# Altium PCB amp.PcbDoc (part 11 of 20)
Units mm, origin at the board's own origin, x right, y up, seen from the top; angles counter-clockwise.
Board outline 210 x 210 mm, 2 copper layers (Top Layer, Bottom Layer); 742 components, 1354 nets, 6402 pads, 5154 vias.
Unrouted connection lines stored in the file: 702.
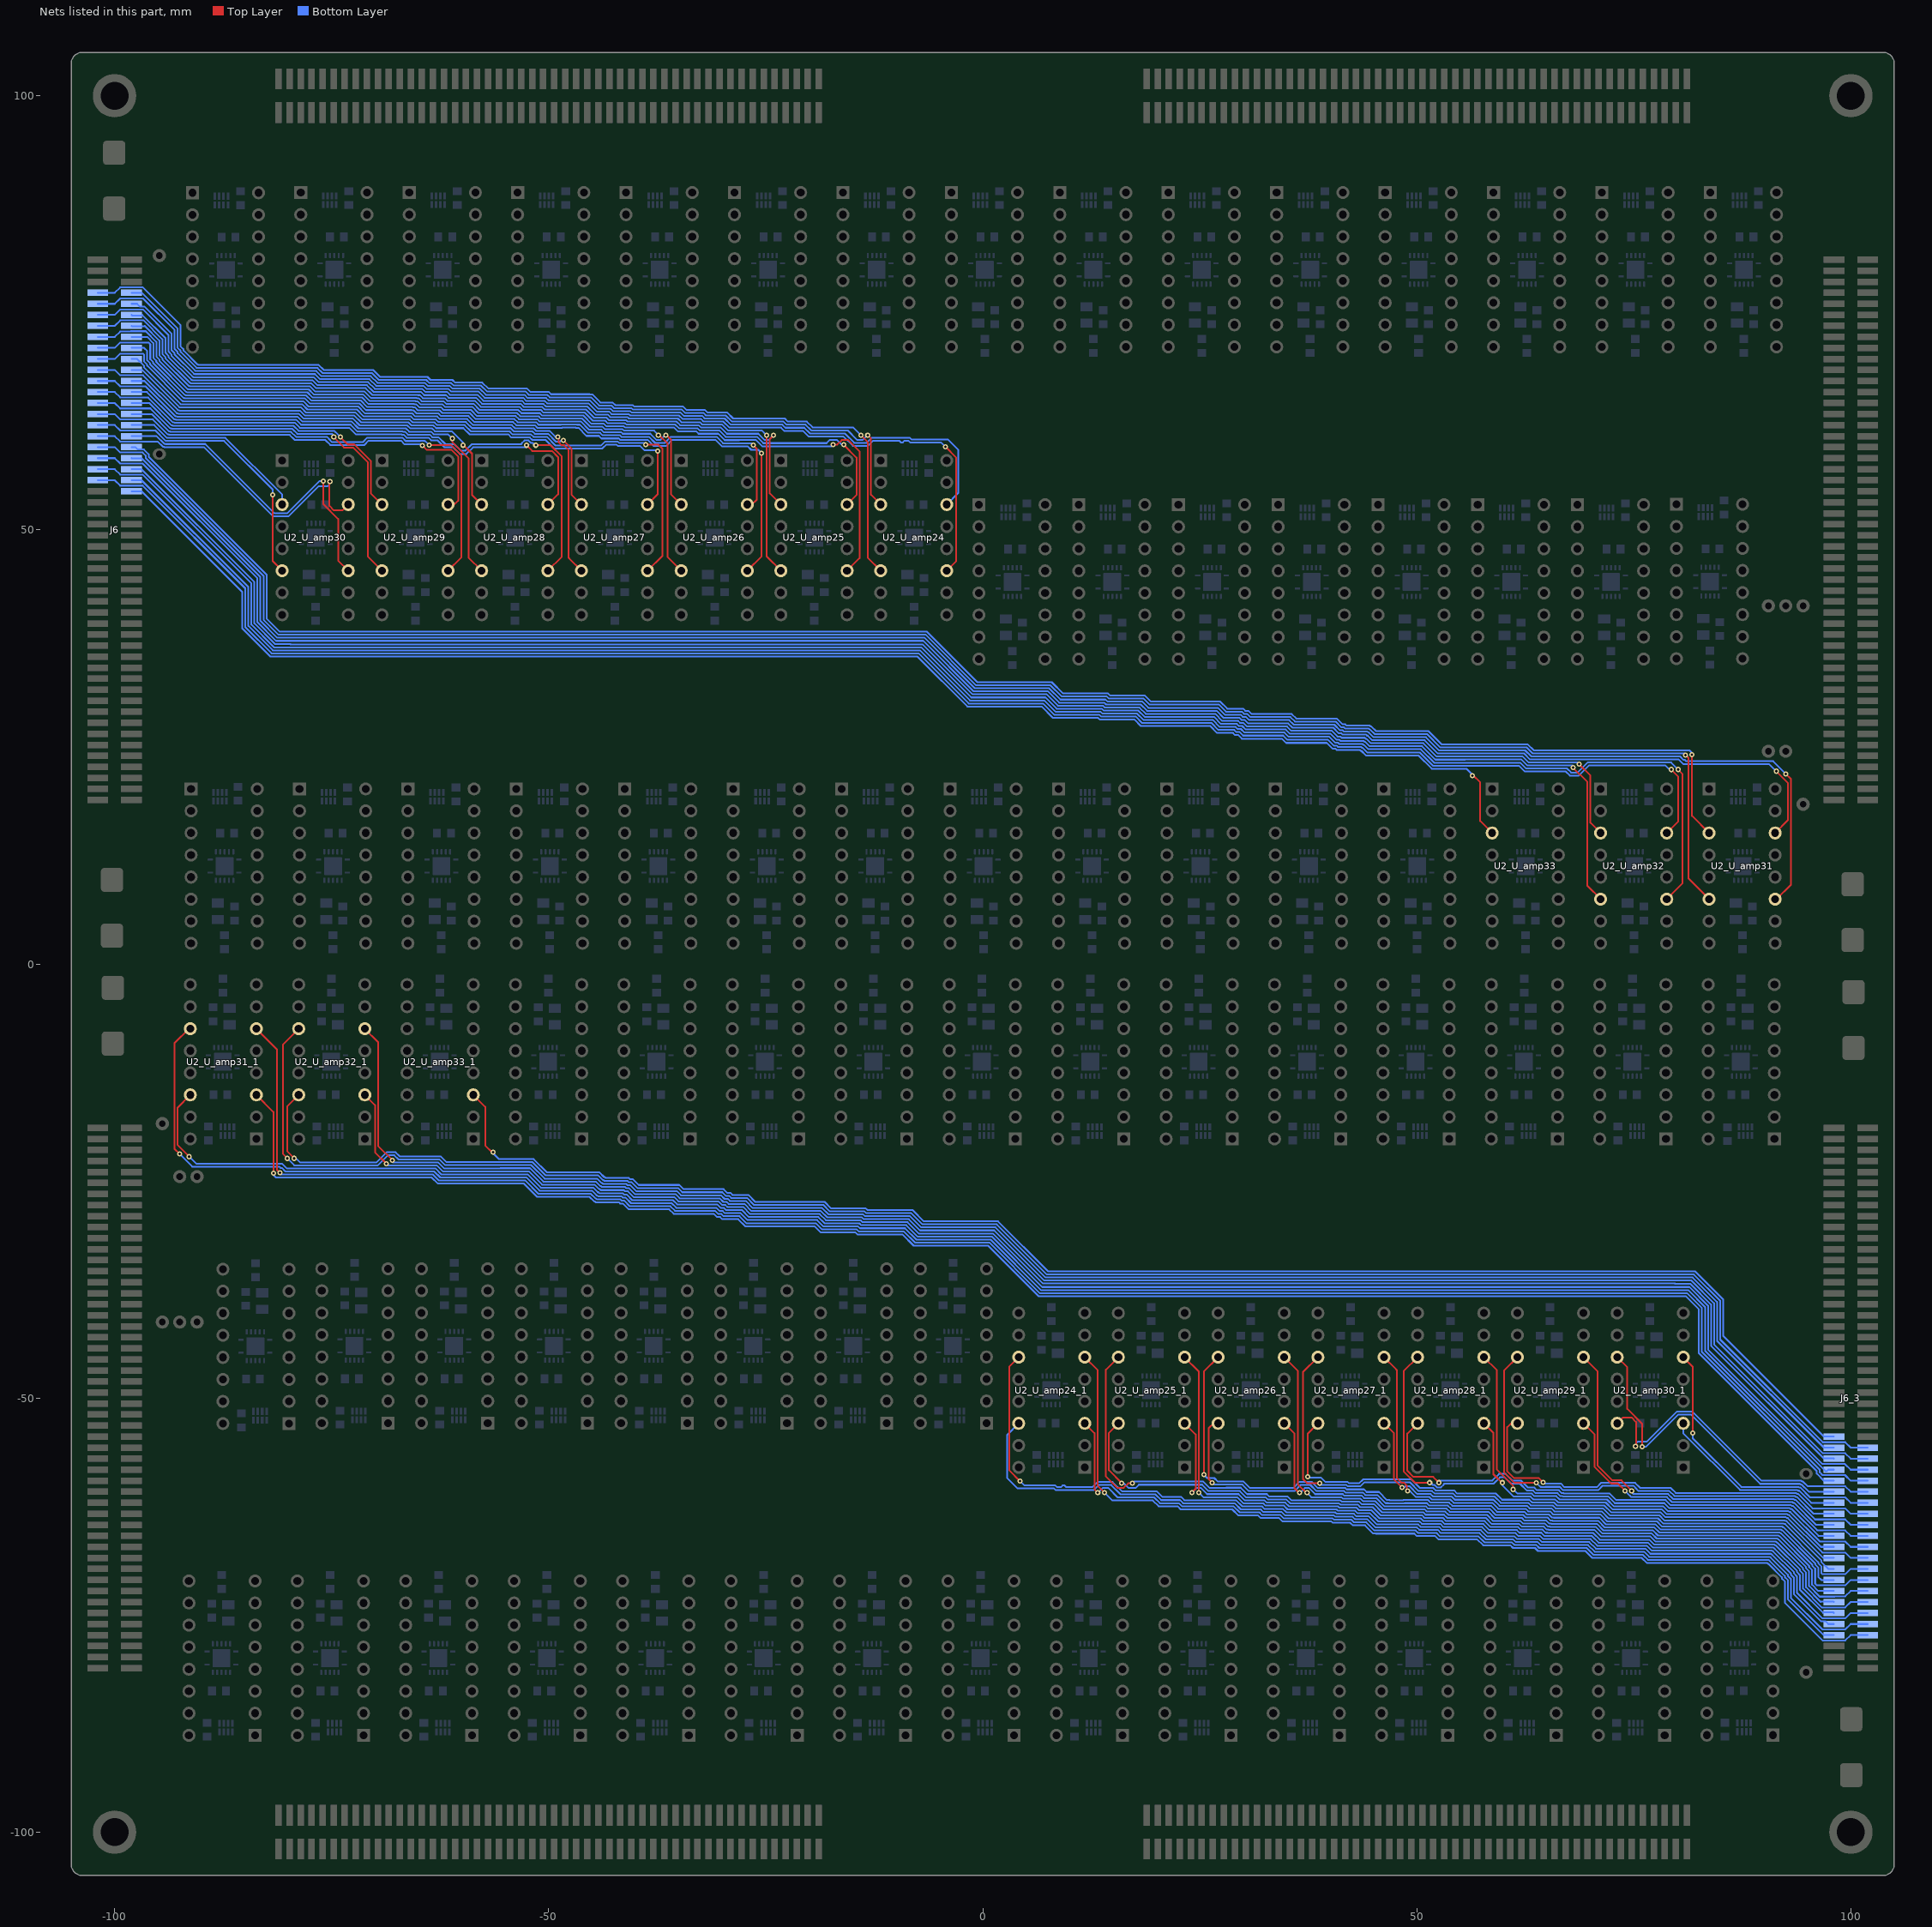
[diagram p11: the nets of this part, all layers, seen from the top]

## Via types
v1: diameter 0.6, hole 0.3, Top Layer to Bottom Layer, tented both sides, 4704 vias
v2: diameter 0.5, hole 0.3, Top Layer to Bottom Layer, 450 vias

## Nets (pads, with @x,y where several pads share a name; then routed paths per layer and width w, separated by ;. In a path a pad name is that pad's centre, name@x,y a point inside that pad or via, vN(x,y) a via of type N, cw(c..) or ccw(c..) an arc to the next point about the centre after c; other vN are vias at no path point) (continued)
NetJ6_58: J6.58 J6_3.58 U2_U_amp33.3 U2_U_amp33_1.3 | length 356.3
  Top Layer w0.2: U2_U_amp33_1.3@-58.688,-15.083 -57.3,-16.471 -57.3,-20.9 -56.5,-21.7 v1(-56.4,-21.7) ; v1(56.4,21.7) 56.5,21.7 57.3,20.9 57.3,16.471 U2_U_amp33.3@58.688,15.083
  Bottom Layer w0.2: J6.58@-98.05,54.445 -96.902,54.445 -85.3,42.843 -85.3,38.64 -82.073,35.414 -7.527,35.414 -1.76,29.647 6.789,29.647 8.086,28.35 13.279,28.35 13.497,28.131 17.491,28.131 18.214,27.408 26.204,27.408 27.012,26.6 28.84,26.6 29.078,26.362 29.444,26.362 29.856,25.95 34.469,25.95 34.959,25.46 39.631,25.46 40.291,24.8 40.609,24.8 40.755,24.654 43.435,24.654 43.539,24.55 43.608,24.55 44.136,24.022 50.18,24.022 51.717,22.484 55.716,22.484 56.4,21.8 v1(56.4,21.7) ; v1(-56.4,-21.7) -56.4,-21.8 -55.716,-22.484 -51.717,-22.484 -50.18,-24.022 -44.136,-24.022 -43.608,-24.55 -43.539,-24.55 -43.435,-24.654 -40.755,-24.654 -40.609,-24.8 -40.291,-24.8 -39.631,-25.46 -34.959,-25.46 -34.469,-25.95 -29.856,-25.95 -29.444,-26.362 -29.078,-26.362 -28.84,-26.6 -27.012,-26.6 -26.204,-27.408 -18.214,-27.408 -17.491,-28.131 -13.497,-28.131 -13.279,-28.35 -8.086,-28.35 -6.789,-29.647 1.76,-29.647 7.527,-35.414 82.073,-35.414 85.3,-38.64 85.3,-42.843 96.902,-54.445 J6_3.58@98.05,-54.445
NetJ6_59: J6.59 J6_3.59 U2_U_amp32.14 U2_U_amp32_1.14 | length 414.2
  Top Layer w0.2: v1(-79.3,-22.4) -80.1,-21.6 -80.1,-16.385 U2_U_amp32_1.14@-78.798,-15.083 ; U2_U_amp32.14@78.798,15.083 80.1,16.385 80.1,21.6 v1(79.3,22.4)
  Bottom Layer w0.2: J6.59@-101.95,55.715 -99.974,55.715 -99.354,55.095 -96.776,55.095 -84.95,43.269 -84.95,38.785 -81.928,35.764 -7.382,35.764 -1.615,29.997 6.934,29.997 8.231,28.7 13.424,28.7 13.642,28.481 17.636,28.481 18.359,27.758 26.349,27.758 27.157,26.95 28.985,26.95 29.223,26.712 29.589,26.712 30.001,26.3 34.614,26.3 35.104,25.81 39.776,25.81 40.436,25.15 40.754,25.15 40.9,25.004 43.58,25.004 43.684,24.9 43.753,24.9 44.281,24.372 50.325,24.372 51.862,22.834 61.771,22.834 62.45,22.155 67.172,22.155 67.627,21.7 68.673,21.7 69.828,22.855 78.645,22.855 79.3,22.2 v1(79.3,22.4) ; v1(-79.3,-22.4) -79.3,-22.2 -78.645,-22.855 -69.828,-22.855 -68.673,-21.7 -67.627,-21.7 -67.172,-22.155 -62.45,-22.155 -61.771,-22.834 -51.862,-22.834 -50.325,-24.372 -44.281,-24.372 -43.753,-24.9 -43.684,-24.9 -43.58,-25.004 -40.9,-25.004 -40.754,-25.15 -40.436,-25.15 -39.776,-25.81 -35.104,-25.81 -34.614,-26.3 -30.001,-26.3 -29.589,-26.712 -29.223,-26.712 -28.985,-26.95 -27.157,-26.95 -26.349,-27.758 -18.359,-27.758 -17.636,-28.481 -13.642,-28.481 -13.424,-28.7 -8.231,-28.7 -6.934,-29.997 1.615,-29.997 7.382,-35.764 81.928,-35.764 84.95,-38.785 84.95,-43.269 96.776,-55.095 99.354,-55.095 99.974,-55.715 J6_3.59@101.95,-55.715
NetJ6_60: J6.60 J6_3.60 U2_U_amp32.11 U2_U_amp32_1.11 | length 422.8
  Top Layer w0.2: v1(-80.1,-22.4) -80.6,-21.9 -80.6,-9.265 U2_U_amp32_1.11@-78.798,-7.463 ; U2_U_amp32.11@78.798,7.463 80.6,9.265 80.6,21.9 v1(80.1,22.4)
  Bottom Layer w0.2: J6.60@-98.05,55.715 -96.902,55.715 -84.6,43.413 -84.6,38.93 -81.783,36.114 -7.237,36.114 -1.47,30.347 7.079,30.347 8.376,29.05 13.569,29.05 13.787,28.831 17.781,28.831 18.504,28.108 26.494,28.108 27.302,27.3 29.13,27.3 29.368,27.062 29.734,27.062 30.146,26.65 34.759,26.65 35.249,26.16 39.921,26.16 40.581,25.5 40.899,25.5 41.045,25.354 43.725,25.354 43.829,25.25 43.898,25.25 44.426,24.722 50.47,24.722 52.007,23.184 61.916,23.184 62.595,22.505 67.317,22.505 67.772,22.05 68.528,22.05 69.683,23.205 79.295,23.205 v1(80.1,22.4) ; v1(-80.1,-22.4) -79.295,-23.205 -69.683,-23.205 -68.528,-22.05 -67.772,-22.05 -67.317,-22.505 -62.595,-22.505 -61.916,-23.184 -52.007,-23.184 -50.47,-24.722 -44.426,-24.722 -43.898,-25.25 -43.829,-25.25 -43.725,-25.354 -41.045,-25.354 -40.899,-25.5 -40.581,-25.5 -39.921,-26.16 -35.249,-26.16 -34.759,-26.65 -30.146,-26.65 -29.734,-27.062 -29.368,-27.062 -29.13,-27.3 -27.302,-27.3 -26.494,-28.108 -18.504,-28.108 -17.781,-28.831 -13.787,-28.831 -13.569,-29.05 -8.376,-29.05 -7.079,-30.347 1.47,-30.347 7.237,-36.114 81.783,-36.114 84.6,-38.93 84.6,-43.413 96.902,-55.715 J6_3.60@98.05,-55.715
NetJ6_61: J6.61 J6_3.61 U2_U_amp32.6 U2_U_amp32_1.6 | length 406.7
  Top Layer w0.2: U2_U_amp32_1.6@-71.178,-7.463 -69.65,-8.991 -69.65,-20.95 v1(-68,-22.6) ; v1(68,22.6) 69.65,20.95 69.65,8.991 U2_U_amp32.6@71.178,7.463
  Bottom Layer w0.2: J6.61@-101.95,56.985 -99.974,56.985 -99.354,56.365 -96.776,56.365 -84.25,43.839 -84.25,39.075 -81.639,36.464 -7.092,36.464 -1.325,30.697 7.224,30.697 8.521,29.4 13.714,29.4 13.932,29.181 17.926,29.181 18.649,28.458 26.639,28.458 27.447,27.65 29.275,27.65 29.513,27.412 29.879,27.412 30.291,27 34.904,27 35.394,26.51 40.066,26.51 40.726,25.85 41.044,25.85 41.19,25.704 43.87,25.704 43.974,25.6 44.043,25.6 44.571,25.072 50.615,25.072 52.152,23.534 55.566,23.534 55.582,23.55 62.045,23.55 62.74,22.855 67.955,22.855 v1@68,22.81 ; v1@-68.01,-22.6 v1(-68,-22.6) ; v1@-68,-22.81 -67.955,-22.855 -62.74,-22.855 -62.045,-23.55 -55.582,-23.55 -55.566,-23.534 -52.152,-23.534 -50.615,-25.072 -44.571,-25.072 -44.043,-25.6 -43.974,-25.6 -43.87,-25.704 -41.19,-25.704 -41.044,-25.85 -40.726,-25.85 -40.066,-26.51 -35.394,-26.51 -34.904,-27 -30.291,-27 -29.879,-27.412 -29.513,-27.412 -29.275,-27.65 -27.447,-27.65 -26.639,-28.458 -18.649,-28.458 -17.926,-29.181 -13.932,-29.181 -13.714,-29.4 -8.521,-29.4 -7.224,-30.697 1.325,-30.697 7.092,-36.464 81.639,-36.464 84.25,-39.075 84.25,-43.839 96.776,-56.365 99.354,-56.365 99.974,-56.985 J6_3.61@101.95,-56.985 ; v1(68,22.6) v1@68.01,22.6
NetJ6_62: J6.62 J6_3.62 U2_U_amp32.3 U2_U_amp32_1.3 | length 385.2
  Top Layer w0.2: U2_U_amp32_1.3@-71.178,-15.083 -70,-16.261 -70,-21.7 v1(-68.7,-23) ; v1(68.7,23) 70,21.7 70,16.261 U2_U_amp32.3@71.178,15.083
  Bottom Layer w0.2: J6.62@-98.05,56.985 -96.902,56.985 -83.9,43.983 -83.9,39.22 -81.546,36.866 -79.7,36.866 ; -79.753,36.814 -6.947,36.814 -1.18,31.047 7.369,31.047 8.666,29.75 13.859,29.75 14.077,29.531 18.071,29.531 18.794,28.808 26.784,28.808 27.592,28 29.42,28 29.658,27.762 30.024,27.762 30.436,27.35 35.049,27.35 35.539,26.86 40.211,26.86 40.871,26.2 41.189,26.2 41.335,26.054 44.015,26.054 44.119,25.95 44.188,25.95 44.716,25.422 50.76,25.422 52.297,23.884 55.421,23.884 55.437,23.9 62.19,23.9 62.885,23.205 68.495,23.205 v1(68.7,23) ; v1(-68.7,-23) -68.495,-23.205 -62.885,-23.205 -62.19,-23.9 -55.437,-23.9 -55.421,-23.884 -52.297,-23.884 -50.76,-25.422 -44.716,-25.422 -44.188,-25.95 -44.119,-25.95 -44.015,-26.054 -41.335,-26.054 -41.189,-26.2 -40.871,-26.2 -40.211,-26.86 -35.539,-26.86 -35.049,-27.35 -30.436,-27.35 -30.024,-27.762 -29.658,-27.762 -29.42,-28 -27.592,-28 -26.784,-28.808 -18.794,-28.808 -18.071,-29.531 -14.077,-29.531 -13.859,-29.75 -8.666,-29.75 -7.369,-31.047 1.18,-31.047 6.947,-36.814 79.753,-36.814 ; 79.7,-36.866 81.546,-36.866 83.9,-39.22 83.9,-43.983 96.852,-56.935 98,-56.935 J6_3.62@98.05,-56.985
NetJ6_63: J6.63 J6_3.63 U2_U_amp31.14 U2_U_amp31_1.14 | length 439.1
  Top Layer w0.2: v1(-91.4,-22.2) -92.75,-20.85 -92.75,-16.545 U2_U_amp31_1.14@-91.288,-15.083 ; U2_U_amp31.14@91.288,15.083 92.75,16.545 92.75,20.85 v1(91.4,22.2)
  Bottom Layer w0.2: J6.63@-101.95,58.255 -99.974,58.255 -99.354,57.635 -96.776,57.635 -83.55,44.409 -83.55,39.365 -81.401,37.216 -6.854,37.216 -1.035,31.397 7.514,31.397 8.811,30.1 14.004,30.1 14.222,29.881 18.216,29.881 18.939,29.158 26.929,29.158 27.737,28.35 29.565,28.35 29.803,28.112 30.169,28.112 30.581,27.7 35.194,27.7 35.683,27.21 40.356,27.21 41.016,26.55 41.334,26.55 41.48,26.404 44.16,26.404 44.264,26.3 44.333,26.3 44.861,25.772 50.905,25.772 52.442,24.234 55.276,24.234 55.292,24.25 62.335,24.25 63.03,23.555 80.177,23.555 80.732,23 90.6,23 v1(91.4,22.2) ; v1(-91.4,-22.2) -90.6,-23 -80.732,-23 -80.177,-23.555 -63.03,-23.555 -62.335,-24.25 -55.292,-24.25 -55.276,-24.234 -52.442,-24.234 -50.905,-25.772 -44.861,-25.772 -44.333,-26.3 -44.264,-26.3 -44.16,-26.404 -41.48,-26.404 -41.334,-26.55 -41.016,-26.55 -40.356,-27.21 -35.683,-27.21 -35.194,-27.7 -30.581,-27.7 -30.169,-28.112 -29.803,-28.112 -29.565,-28.35 -27.737,-28.35 -26.929,-29.158 -18.939,-29.158 -18.216,-29.881 -14.222,-29.881 -14.004,-30.1 -8.811,-30.1 -7.514,-31.397 1.035,-31.397 6.854,-37.216 81.401,-37.216 83.55,-39.365 83.55,-44.409 96.746,-57.605 99.324,-57.605 99.974,-58.255 J6_3.63@101.95,-58.255
NetJ6_64: J6.64 J6_3.64 U2_U_amp31.11 U2_U_amp31_1.11 | length 448.1
  Top Layer w0.2: v1(-92.5,-21.9) -93.1,-21.3 -93.1,-9.1 U2_U_amp31_1.11@-91.463,-7.463 ; U2_U_amp31.11@91.463,7.463 93.1,9.1 93.1,21.3 v1(92.5,21.9)
  Bottom Layer w0.2: J6.64@-98.05,58.255 -98.005,58.21 -96.947,58.21 -96.902,58.255 -83.2,44.553 -83.2,39.51 -81.256,37.566 -6.709,37.566 -0.89,31.747 7.659,31.747 8.956,30.45 14.149,30.45 14.367,30.231 18.361,30.231 19.084,29.508 27.074,29.508 27.882,28.7 29.71,28.7 29.947,28.462 30.314,28.462 30.69,28.086 35.302,28.086 35.828,27.56 40.501,27.56 41.161,26.9 41.479,26.9 41.625,26.754 44.305,26.754 44.409,26.65 44.478,26.65 45.006,26.122 51.049,26.122 52.587,24.584 55.132,24.584 55.147,24.6 62.48,24.6 63.175,23.905 80.322,23.905 80.722,23.505 80.895,23.505 81.05,23.35 91.05,23.35 v1(92.5,21.9) ; v1(-92.5,-21.9) -91.05,-23.35 -81.05,-23.35 -80.895,-23.505 -80.722,-23.505 -80.322,-23.905 -63.175,-23.905 -62.48,-24.6 -55.147,-24.6 -55.132,-24.584 -52.587,-24.584 -51.049,-26.122 -45.006,-26.122 -44.478,-26.65 -44.409,-26.65 -44.305,-26.754 -41.625,-26.754 -41.479,-26.9 -41.161,-26.9 -40.501,-27.56 -35.828,-27.56 -35.302,-28.086 -30.69,-28.086 -30.314,-28.462 -29.947,-28.462 -29.71,-28.7 -27.882,-28.7 -27.074,-29.508 -19.084,-29.508 -18.361,-30.231 -14.367,-30.231 -14.149,-30.45 -8.956,-30.45 -7.659,-31.747 0.89,-31.747 6.709,-37.566 81.256,-37.566 83.2,-39.51 83.2,-44.553 97.067,-58.42 97.244,-58.42 97.409,-58.255 J6_3.64@98.05,-58.255
NetJ6_65: J6.65 J6_3.65 U2_U_amp31.6 U2_U_amp31_1.6 | length 437.1
  Top Layer w0.2: U2_U_amp31_1.6@-83.668,-7.463 -81.3,-9.831 -81.3,-23.705 v1(-80.95,-24.055) ; v1(80.95,24.055) 81.3,23.705 81.3,9.831 U2_U_amp31.6@83.668,7.463
  Bottom Layer w0.2: J6.65@-101.95,59.525 -99.974,59.525 -99.354,58.905 -96.776,58.905 -96.432,58.561 -96.432,58.282 -82.85,44.7 -82.85,39.655 -81.111,37.916 -6.564,37.916 -0.745,32.097 7.804,32.097 9.101,30.8 14.294,30.8 14.512,30.581 18.506,30.581 19.229,29.858 27.219,29.858 28.027,29.05 29.854,29.05 30.092,28.812 30.459,28.812 30.835,28.436 35.447,28.436 35.973,27.91 40.646,27.91 41.306,27.25 41.624,27.25 41.77,27.104 44.45,27.104 44.554,27 44.623,27 45.151,26.472 51.194,26.472 52.732,24.934 54.987,24.934 55.002,24.95 62.625,24.95 63.32,24.255 80.845,24.255 81,24.1 80.955,24.055 v1(80.95,24.055) ; v1(-80.95,-24.055) -80.955,-24.055 -81,-24.1 -80.845,-24.255 -63.32,-24.255 -62.625,-24.95 -55.002,-24.95 -54.987,-24.934 -52.732,-24.934 -51.194,-26.472 -45.151,-26.472 -44.623,-27 -44.554,-27 -44.45,-27.104 -41.77,-27.104 -41.624,-27.25 -41.306,-27.25 -40.646,-27.91 -35.973,-27.91 -35.447,-28.436 -30.835,-28.436 -30.459,-28.812 -30.092,-28.812 -29.854,-29.05 -28.027,-29.05 -27.219,-29.858 -19.229,-29.858 -18.506,-30.581 -14.512,-30.581 -14.294,-30.8 -9.101,-30.8 -7.804,-32.097 0.745,-32.097 6.564,-37.916 81.111,-37.916 82.85,-39.655 82.85,-44.7 96.432,-58.282 96.432,-58.561 96.746,-58.875 99.324,-58.875 99.974,-59.525 J6_3.65@101.95,-59.525
NetJ6_66: J6.66 J6_3.66 U2_U_amp31.3 U2_U_amp31_1.3 | length 415
  Top Layer w0.2: U2_U_amp31_1.3@-83.668,-15.083 -81.7,-17.051 v1(-81.7,-24.1) ; v1(81.7,24.1) 81.7,17.051 U2_U_amp31.3@83.668,15.083
  Bottom Layer w0.2: J6.66@-98.05,59.525 -97.6,59.525 -97.33,59.255 -96.632,59.255 -96.082,58.706 -96.082,58.427 -82.5,44.845 -82.5,39.8 -80.966,38.266 -6.419,38.266 -0.6,32.447 7.949,32.447 9.246,31.15 14.439,31.15 14.657,30.931 18.651,30.931 19.374,30.208 27.364,30.208 28.172,29.4 29.999,29.4 30.237,29.162 30.604,29.162 30.98,28.786 35.592,28.786 36.118,28.26 40.791,28.26 41.451,27.6 41.769,27.6 41.915,27.454 44.595,27.454 44.699,27.35 44.767,27.35 45.296,26.822 51.339,26.822 52.877,25.284 54.842,25.284 54.857,25.3 62.77,25.3 63.465,24.605 81.395,24.605 81.7,24.3 v1(81.7,24.1) ; v1(-81.7,-24.1) -81.7,-24.3 -81.395,-24.605 -63.465,-24.605 -62.77,-25.3 -54.857,-25.3 -54.842,-25.284 -52.877,-25.284 -51.339,-26.822 -45.296,-26.822 -44.767,-27.35 -44.699,-27.35 -44.595,-27.454 -41.915,-27.454 -41.769,-27.6 -41.451,-27.6 -40.791,-28.26 -36.118,-28.26 -35.592,-28.786 -30.98,-28.786 -30.604,-29.162 -30.237,-29.162 -29.999,-29.4 -28.172,-29.4 -27.364,-30.208 -19.374,-30.208 -18.651,-30.931 -14.657,-30.931 -14.439,-31.15 -9.246,-31.15 -7.949,-32.447 0.6,-32.447 6.419,-38.266 80.966,-38.266 82.5,-39.8 82.5,-44.845 96.082,-58.427 96.082,-58.706 96.902,-59.525 J6_3.66@98.05,-59.525
NetJ6_67: J6.67 J6_3.67 U2_U_amp30.14 U2_U_amp30_1.14 | length 75.9
  Top Layer w0.2: v1(-75.196,55.583) -75.264,55.516 -75.264,52.759 -74.753,52.248 -73.747,52.248 U2_U_amp30.14@-73.078,52.916 ; U2_U_amp30_1.14@73.078,-52.916 73.747,-52.248 74.753,-52.248 75.264,-52.759 75.264,-55.516 v1(75.196,-55.583)
  Bottom Layer w0.2: J6.67@-101.95,60.795 -99.974,60.795 -99.354,60.175 -95.032,60.175 -94.431,59.574 -94.308,59.574 -94.27,59.536 -89.699,59.536 -81.704,51.542 -79.988,51.542 -76.489,55.042 -75.455,55.042 -75.252,55.244 -75.252,55.527 v1(-75.196,55.583) ; v1(75.196,-55.583) 75.252,-55.527 75.252,-55.244 75.455,-55.042 76.489,-55.042 79.988,-51.542 81.704,-51.542 89.699,-59.536 94.27,-59.536 94.359,-59.625 94.482,-59.625 95.032,-60.175 99.354,-60.175 99.974,-60.795 J6_3.67@101.95,-60.795
NetJ6_68: J6.68 J6_3.68 U2_U_amp30.11 U2_U_amp30_1.11 | length 77.6
  Top Layer w0.2: v1(-75.946,55.601) -75.946,52.946 -74.244,51.244 -74.244,46.462 U2_U_amp30.11@-73.078,45.296 ; U2_U_amp30_1.11@73.078,-45.296 74.244,-46.462 74.244,-51.244 75.946,-52.946 v1(75.946,-55.601)
  Bottom Layer w0.2: J6.68@-98.05,60.795 -95.157,60.795 -94.286,59.924 -94.163,59.924 -94.125,59.886 -89.554,59.886 -81.559,51.892 -80.133,51.892 -76.425,55.601 v1(-75.946,55.601) ; v1(75.946,-55.601) 76.425,-55.601 80.133,-51.892 81.559,-51.892 89.554,-59.886 94.125,-59.886 94.214,-59.975 94.337,-59.975 95.157,-60.795 J6_3.68@98.05,-60.795
NetJ6_69: J6.69 J6_3.69 U2_U_amp30.6 U2_U_amp30_1.6 | length 66.1
  Top Layer w0.2: v1(-81.788,54.026) -81.788,46.386 U2_U_amp30.6@-80.698,45.296 ; U2_U_amp30_1.6@80.698,-45.296 81.788,-46.386 v1(81.788,-54.026)
  Bottom Layer w0.2: J6.69@-101.95,62.065 -99.974,62.065 -99.354,61.445 -95.312,61.445 -94.141,60.274 -94.018,60.274 -93.98,60.236 -87.388,60.236 -81.788,54.637 v1(-81.788,54.026) v1@-81.763,54 ; v1@81.763,-54 v1(81.788,-54.026) 81.788,-54.637 87.388,-60.236 93.98,-60.236 94.069,-60.325 94.192,-60.325 95.312,-61.445 99.354,-61.445 99.974,-62.065 J6_3.69@101.95,-62.065
NetJ6_70: J6.70 J6_3.70 U2_U_amp30.3 U2_U_amp30_1.3 | length 43.6
  Bottom Layer w0.2: J6.70@-98.05,62.065 -95.437,62.065 -93.996,60.624 -93.873,60.624 -93.836,60.586 -87.243,60.586 -80.698,54.042 U2_U_amp30.3@-80.698,52.916 ; U2_U_amp30_1.3@80.698,-52.916 80.698,-54.042 87.243,-60.586 93.836,-60.586 93.924,-60.675 94.047,-60.675 95.437,-62.065 J6_3.70@98.05,-62.065
NetJ6_71: J6.71 J6_3.71 U2_U_amp29.14 U2_U_amp29_1.14 | length 100.9
  Top Layer w0.2: v1(-64.541,59.715) -64.033,59.207 -61.188,59.207 -60.427,58.447 -60.427,53.365 -60.876,52.916 U2_U_amp29.14@-61.588,52.916 ; U2_U_amp29_1.14@61.588,-52.916 60.876,-52.916 60.427,-53.365 60.427,-58.447 61.188,-59.207 64.033,-59.207 v1(64.541,-59.715)
  Bottom Layer w0.2: J6.71@-101.95,63.335 -99.974,63.335 -99.354,62.715 -97.818,62.715 -97.815,62.713 -95.59,62.713 -93.851,60.974 -93.728,60.974 -93.691,60.936 -79.819,60.936 -79.241,60.358 -75.725,60.358 -75.148,59.781 -71.223,59.781 -70.738,60.265 -67.006,60.265 -66.597,59.857 -64.541,59.857 v1(-64.541,59.715) ; v1(64.541,-59.715) 64.541,-59.857 66.597,-59.857 67.006,-60.265 70.738,-60.265 71.223,-59.781 75.148,-59.781 75.725,-60.358 79.241,-60.358 79.819,-60.936 93.691,-60.936 93.779,-61.025 93.902,-61.025 95.59,-62.713 97.815,-62.713 97.818,-62.715 99.354,-62.715 99.974,-63.335 J6_3.71@101.95,-63.335
NetJ6_72: J6.72 J6_3.72 U2_U_amp29.11 U2_U_amp29_1.11 | length 108.6
  Top Layer w0.2: v1(-63.779,59.766) -61.252,59.766 -60.077,58.592 -60.077,46.807 U2_U_amp29.11@-61.588,45.296 ; U2_U_amp29_1.11@61.588,-45.296 60.077,-46.807 60.077,-58.592 61.252,-59.766 v1(63.779,-59.766)
  Bottom Layer w0.2: J6.72@-98.05,63.335 -95.717,63.335 -93.706,61.324 -93.583,61.324 -93.546,61.286 -79.674,61.286 -79.096,60.708 -75.542,60.708 -75.302,60.469 -75.302,60.453 -74.98,60.131 -71.368,60.131 -70.883,60.615 -66.861,60.615 -66.478,60.232 -64.802,60.232 -64.769,60.265 -64.314,60.265 -64.28,60.232 -64.245,60.232 v1(-63.779,59.766) ; v1(63.779,-59.766) 64.245,-60.232 64.28,-60.232 64.314,-60.265 64.769,-60.265 64.802,-60.232 66.478,-60.232 66.861,-60.615 70.883,-60.615 71.368,-60.131 74.98,-60.131 75.302,-60.453 75.302,-60.469 75.542,-60.708 79.096,-60.708 79.674,-61.286 93.546,-61.286 93.634,-61.375 93.757,-61.375 95.717,-63.335 J6_3.72@98.05,-63.335
NetJ6_73: J6.73 J6_3.73 U2_U_amp29.6 U2_U_amp29_1.6 | length 94.9
  Top Layer w0.2: v1(-74.752,60.681) -74.701,60.681 -74.6,60.782 -74.6,60.512 -73.574,59.487 -72.537,59.487 -70.81,57.76 -70.81,46.898 U2_U_amp29.6@-69.208,45.296 ; U2_U_amp29_1.6@69.208,-45.296 70.81,-46.898 70.81,-57.76 72.537,-59.487 73.574,-59.487 74.6,-60.512 74.6,-60.782 74.701,-60.681 v1(74.752,-60.681)
  Bottom Layer w0.2: J6.73@-101.95,64.605 -99.974,64.605 -99.354,63.985 -95.872,63.985 -93.561,61.674 -93.438,61.674 -93.401,61.636 -79.529,61.636 -78.951,61.058 -74.976,61.058 -74.752,60.835 v1(-74.752,60.681) ; v1(74.752,-60.681) 74.752,-60.835 74.976,-61.058 78.951,-61.058 79.529,-61.636 93.401,-61.636 93.489,-61.725 93.612,-61.725 95.872,-63.985 99.354,-63.985 99.974,-64.605 J6_3.73@101.95,-64.605
NetJ6_74: J6.74 J6_3.74 U2_U_amp29.3 U2_U_amp29_1.3 | length 71.8
  Top Layer w0.2: v1(-73.99,60.681) -73.146,59.837 -72.392,59.837 -70.46,57.905 -70.46,54.168 U2_U_amp29.3@-69.208,52.916 ; U2_U_amp29_1.3@69.208,-52.916 70.46,-54.168 70.46,-57.905 72.392,-59.837 73.146,-59.837 v1(73.99,-60.681)
  Bottom Layer w0.2: J6.74@-98.05,64.605 -95.997,64.605 -93.416,62.024 -93.293,62.024 -93.256,61.986 -79.384,61.986 -78.806,61.408 -74.708,61.408 -74.531,61.231 -74.524,61.231 -74.202,60.908 -74.202,60.902 -73.981,60.681 v1(-73.99,60.681) ; v1(73.99,-60.681) 73.981,-60.681 74.202,-60.902 74.202,-60.908 74.524,-61.231 74.531,-61.231 74.708,-61.408 78.806,-61.408 79.384,-61.986 93.256,-61.986 93.344,-62.075 93.467,-62.075 95.997,-64.605 J6_3.74@98.05,-64.605
NetJ6_75: J6.75 J6_3.75 U2_U_amp28.14 U2_U_amp28_1.14 | length 126.7
  Top Layer w0.2: v1(-52.553,59.741) -51.892,59.08 -49.619,59.08 -48.895,58.357 -48.895,54.102 -48.912,54.102 U2_U_amp28.14@-50.098,52.916 ; U2_U_amp28_1.14@50.098,-52.916 48.912,-54.102 48.895,-54.102 48.895,-58.357 49.619,-59.08 51.892,-59.08 v1(52.553,-59.741)
  Bottom Layer w0.2: J6.75@-101.95,65.875 -99.974,65.875 -99.354,65.255 -97.843,65.255 -97.815,65.227 -96.125,65.227 -93.271,62.374 -93.148,62.374 -93.111,62.336 -79.239,62.336 -78.661,61.758 -72.969,61.758 -72.198,60.987 -66.948,60.987 -66.927,60.965 -66.716,60.965 -66.366,60.615 -63.851,60.615 -63.548,60.313 -62.827,60.313 -62.027,59.513 -61.011,59.513 -60.232,58.733 -59.471,58.733 -58.706,59.498 -52.625,59.498 v1@-52.382,59.741 ; v1(-52.553,59.741) v1@-52.382,59.741 ; v1@-52.326,59.797 v1@-52.382,59.741 ; v1@52.326,-59.797 v1@52.382,-59.741 ; v1(52.553,-59.741) v1@52.382,-59.741 ; J6_3.75@101.95,-65.875 99.974,-65.875 99.354,-65.255 97.843,-65.255 97.815,-65.227 96.125,-65.227 93.322,-62.425 93.199,-62.425 93.111,-62.336 79.239,-62.336 78.661,-61.758 72.969,-61.758 72.198,-60.987 66.948,-60.987 66.927,-60.965 66.716,-60.965 66.366,-60.615 63.851,-60.615 63.548,-60.313 62.827,-60.313 62.027,-59.513 61.011,-59.513 60.232,-58.733 59.471,-58.733 58.706,-59.498 52.625,-59.498 v1@52.382,-59.741
NetJ6_76: J6.76 J6_3.76 U2_U_amp28.11 U2_U_amp28_1.11 | length 134.9
  Top Layer w0.2: v1(-51.486,59.741) -49.784,59.741 -48.489,58.445 -48.489,46.905 U2_U_amp28.11@-50.098,45.296 ; U2_U_amp28_1.11@50.098,-45.296 48.489,-46.905 48.489,-58.445 49.784,-59.741 v1(51.486,-59.741)